# Altium PCB EIT_Teensy_PCBMain.PcbDoc (part 1 of 2)
Units mm, origin at the board's own origin, x right, y up, seen from the top; angles counter-clockwise.
Board outline 115 x 72 mm, 4 copper layers (Top Layer, GND Layer, PWR Layer, Bottom Layer), stack 0.603 mm thick; 122 components, 141 nets, 704 pads, 259 vias.
Unrouted connection lines stored in the file: 18.
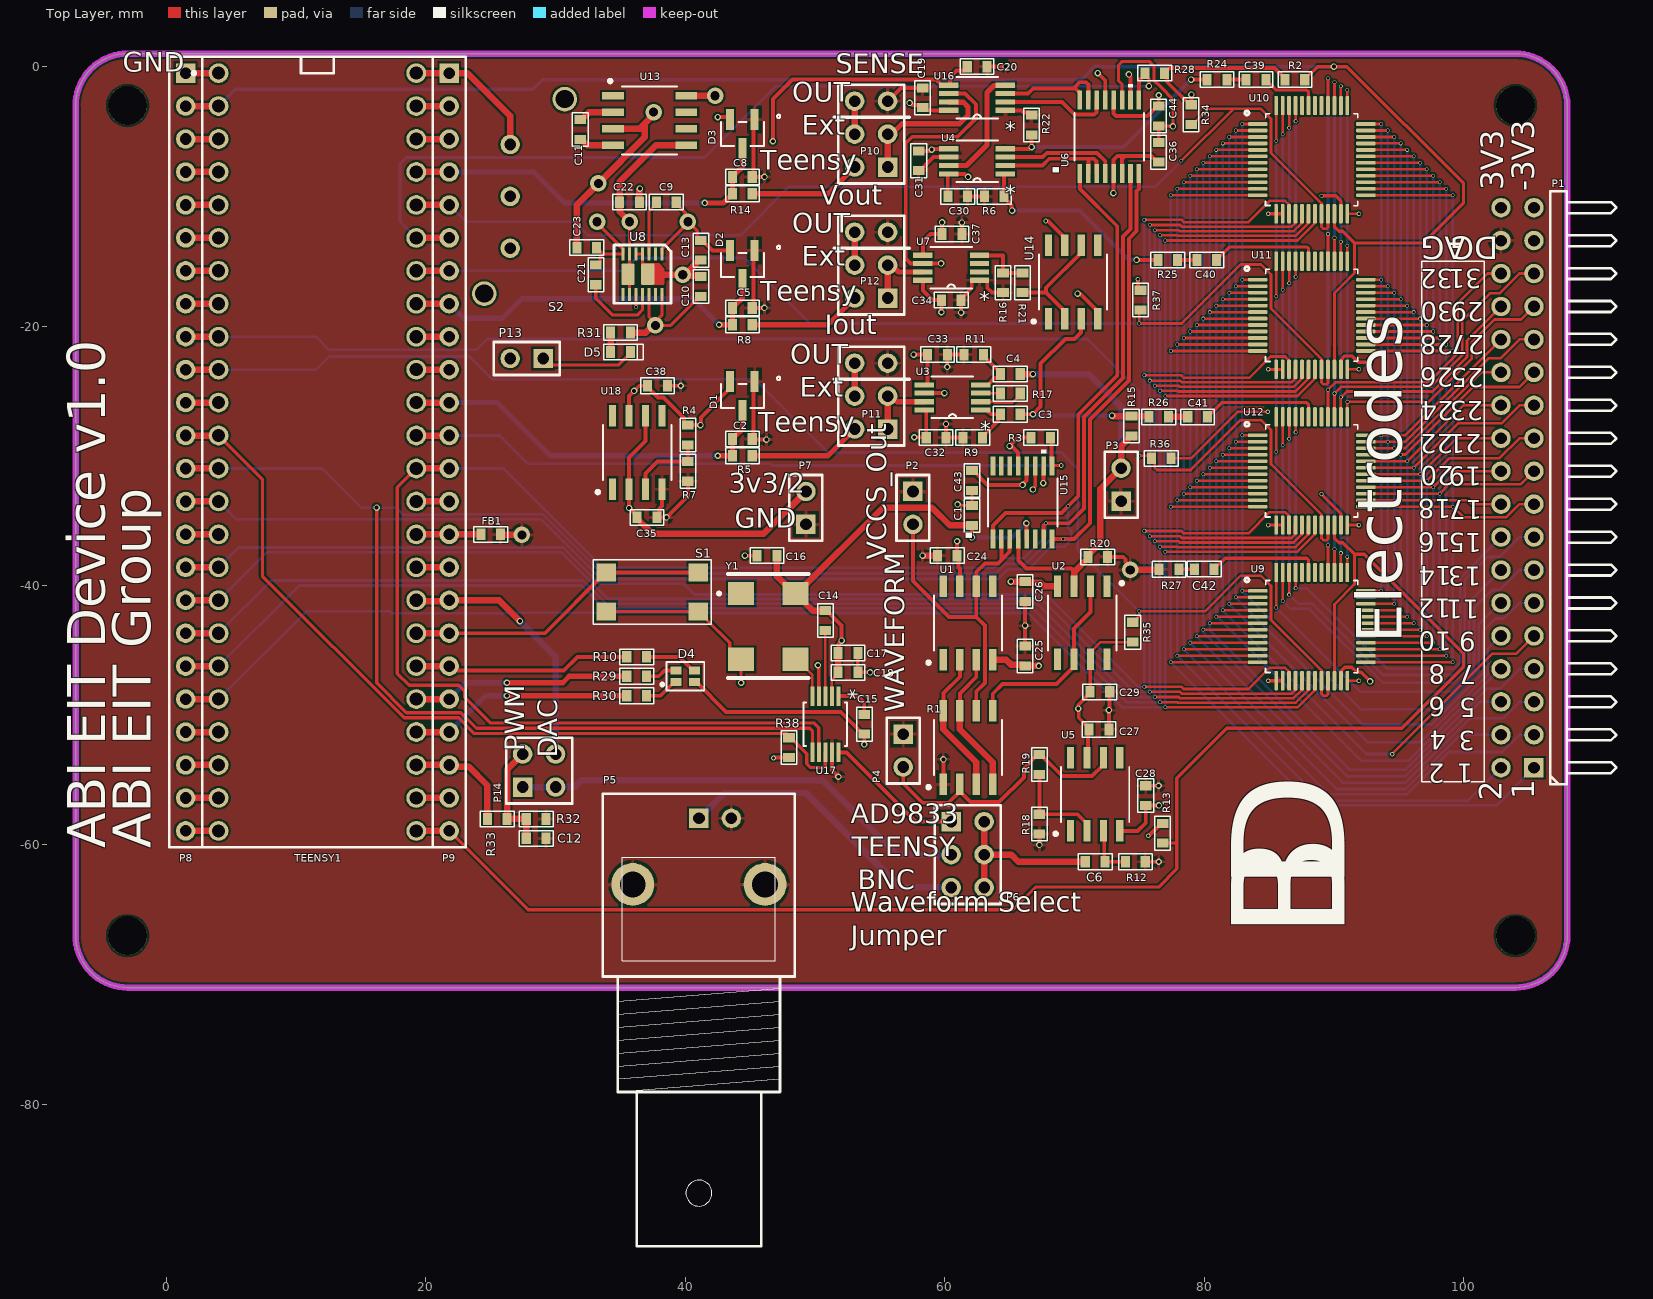
[diagram p0: Top Layer view]
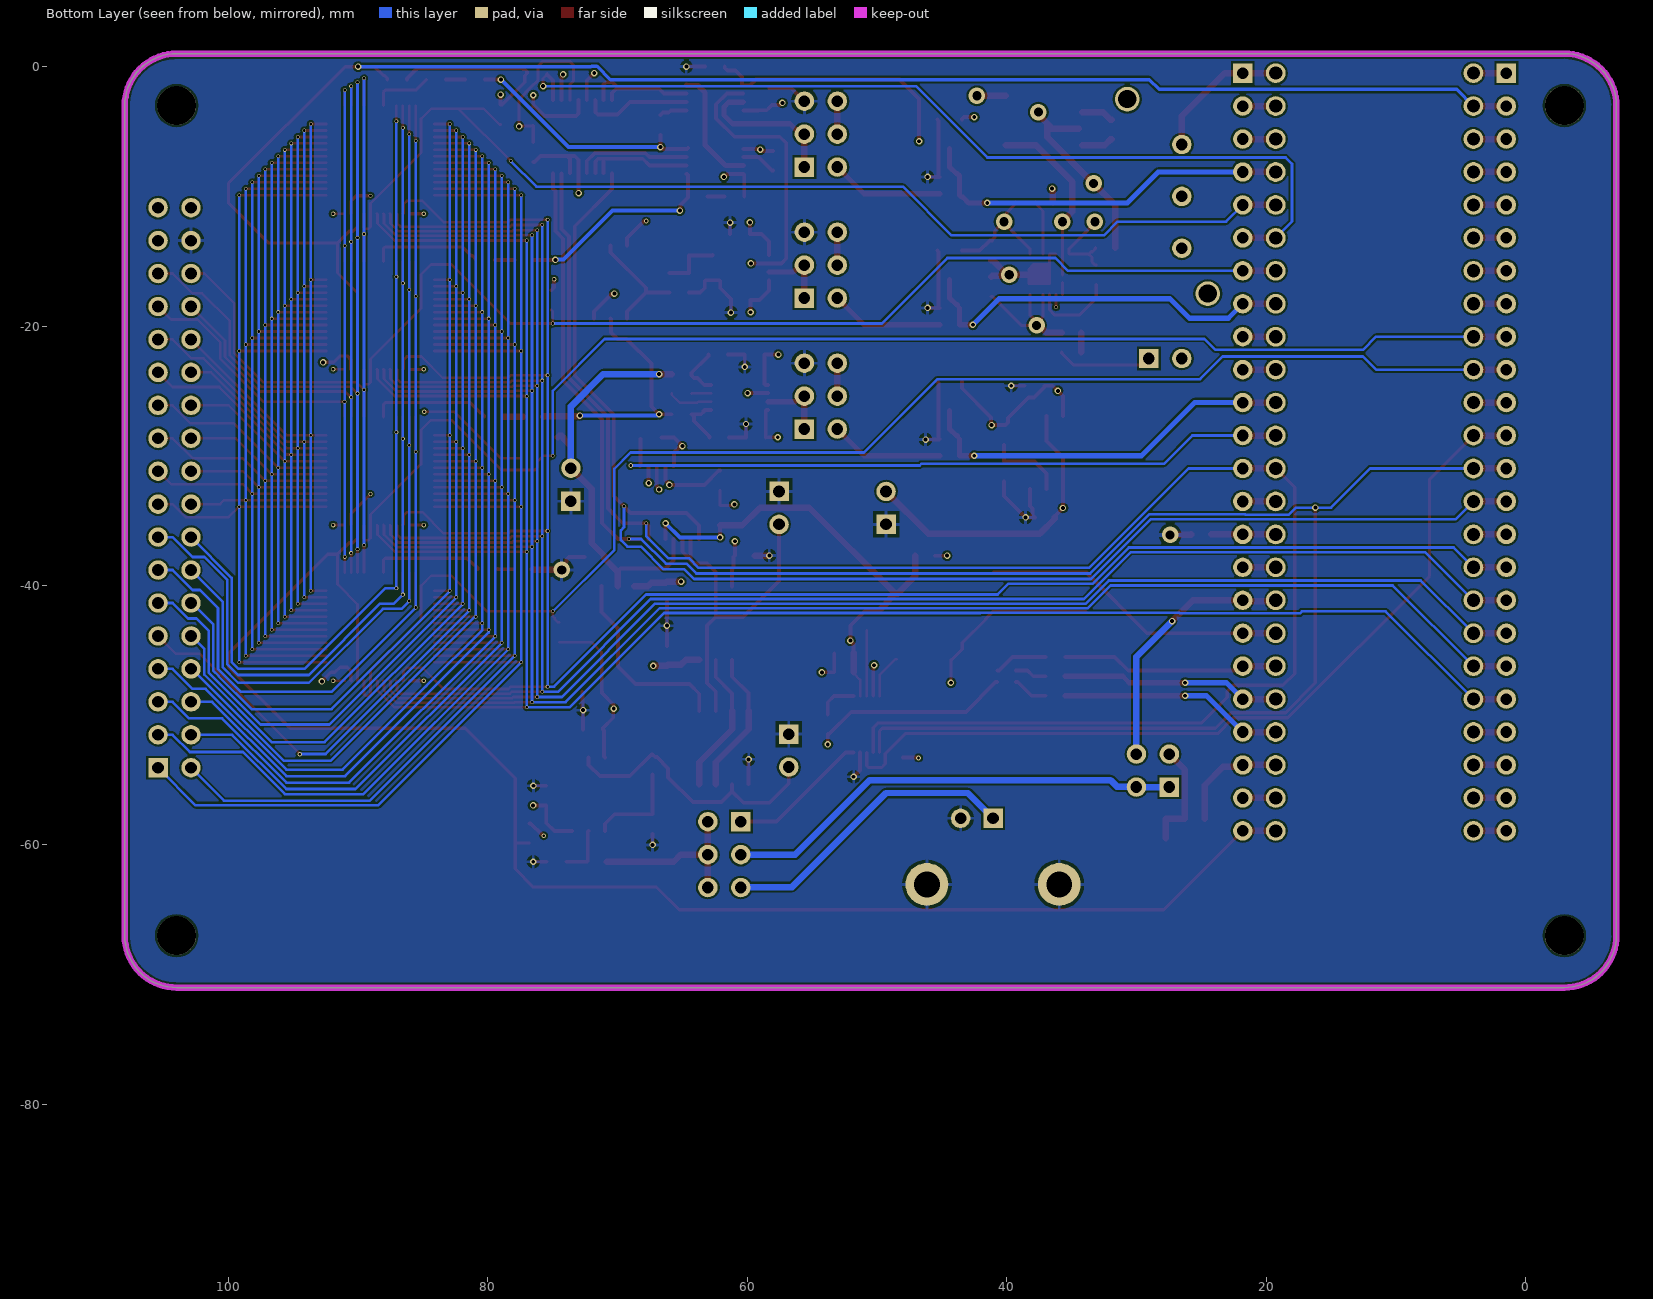
[diagram p1: Bottom Layer view, seen from below]
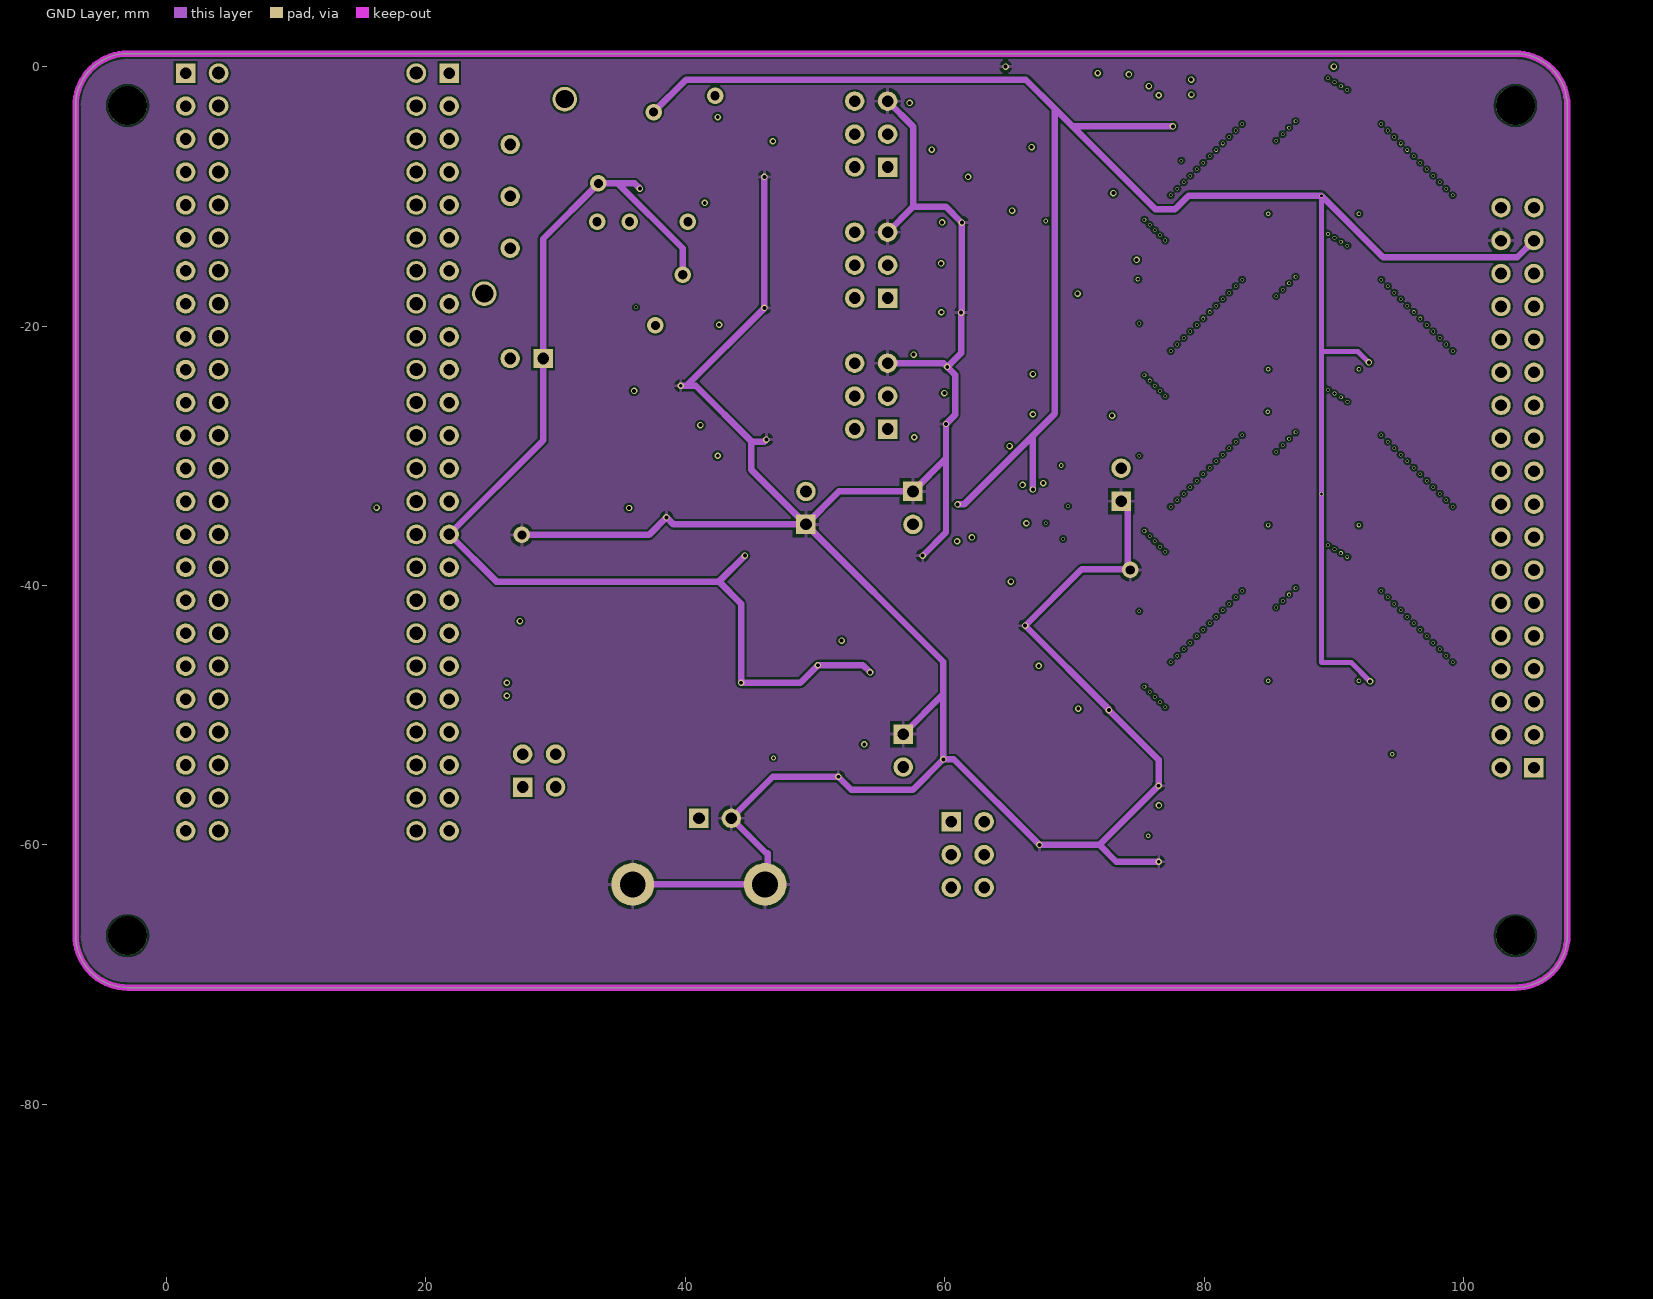
[diagram p2: GND Layer]
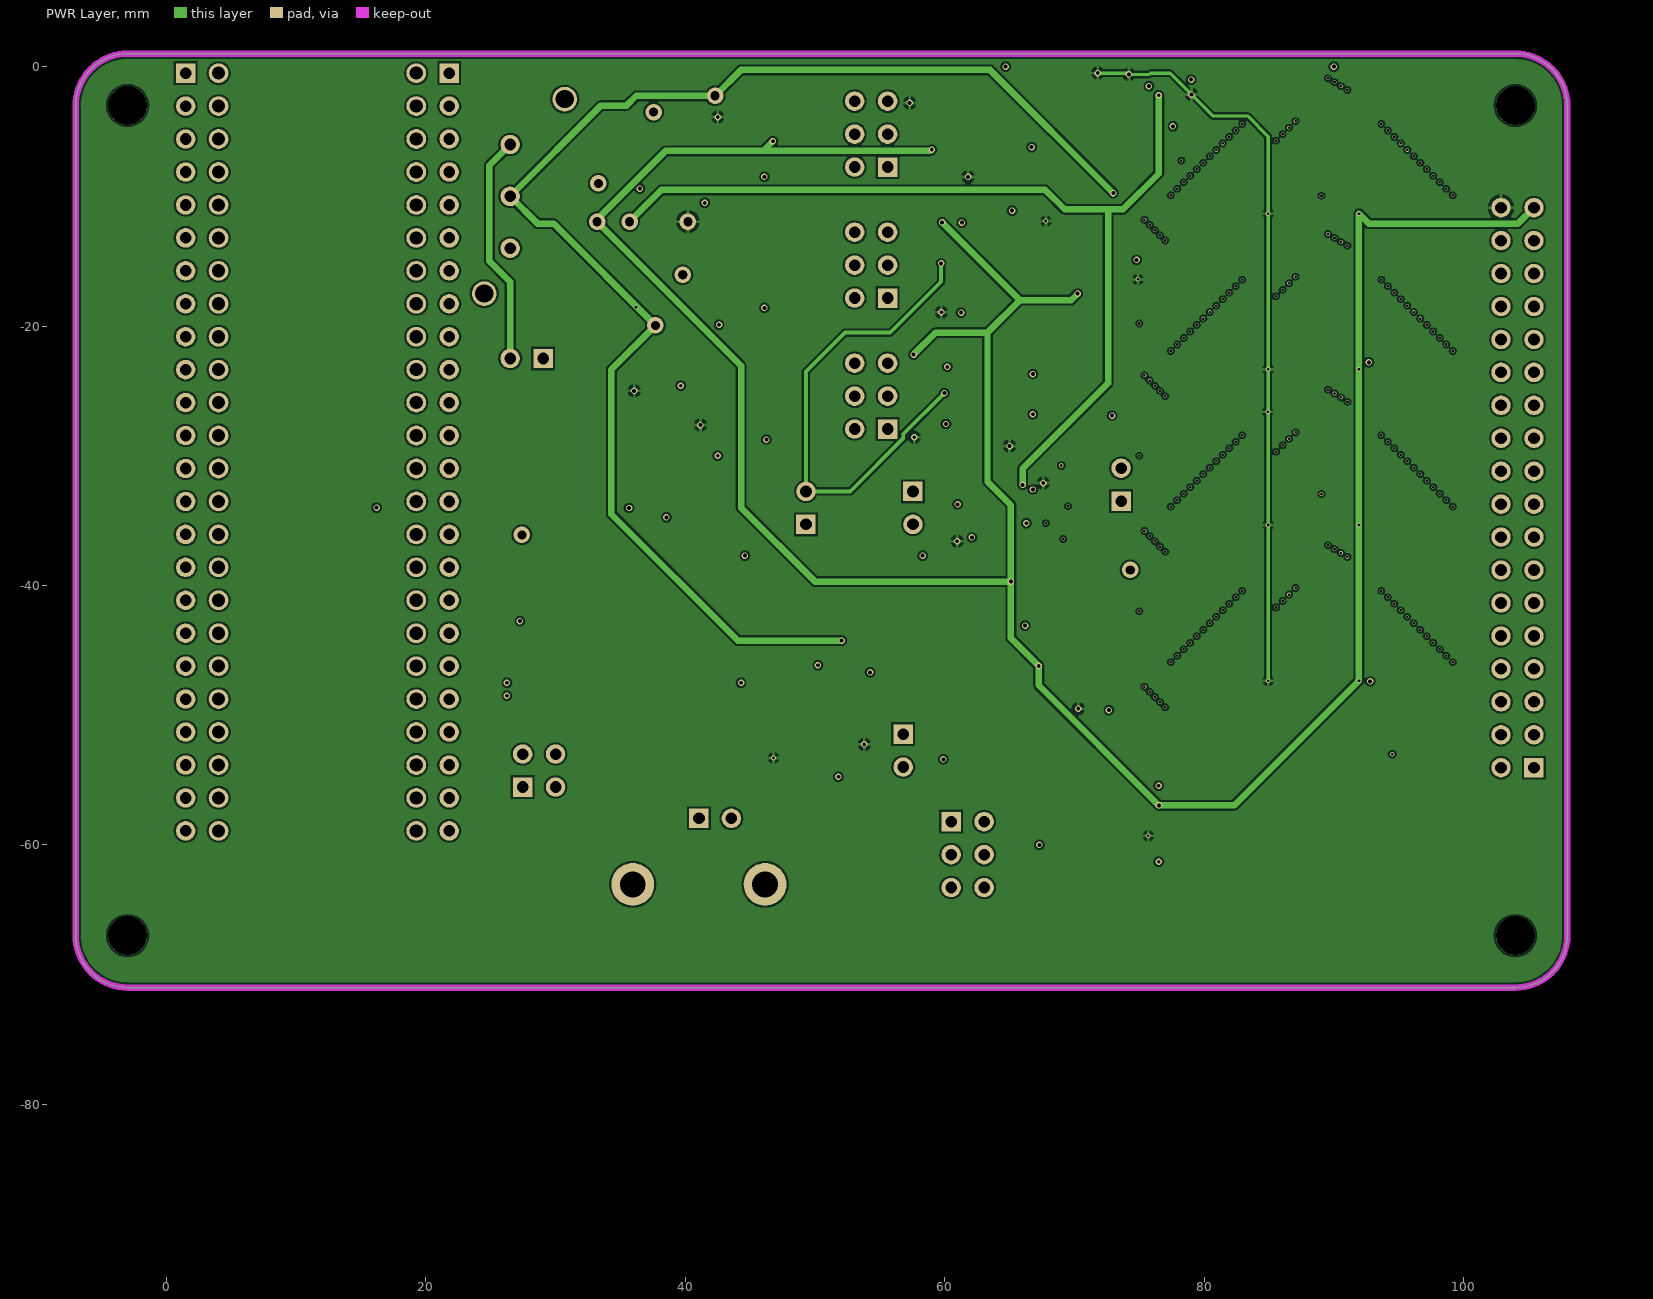
[diagram p3: PWR Layer]
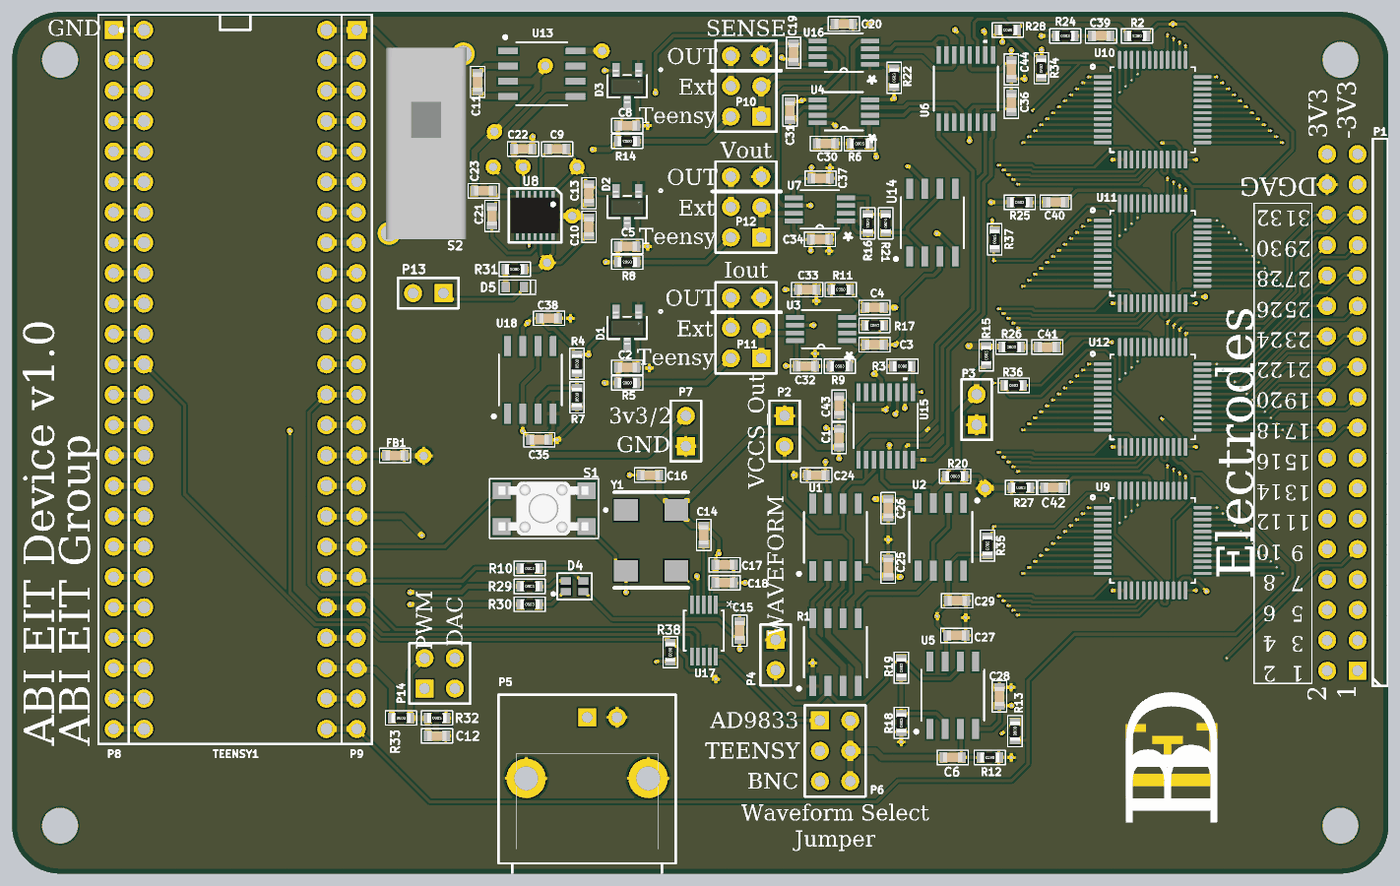
[diagram p5: 3D render of the assembled board from above, using the file's embedded part models]

## Layer stack, top to bottom
Top Solder: solder mask 0.0102, Solder Resist, Dk 3.5
Top Layer: signal copper 0.0356
Dielectric 2: prepreg 0.0711, PP-006, Dk 4.1
GND Layer: signal copper 0.035
Dielectric 1: dielectric 0.32, FR-4, Dk 4.8
PWR Layer: signal copper 0.035
Dielectric 3: prepreg 0.0711, PP-006, Dk 4.1
Bottom Layer: signal copper 0.0356
Bottom Solder: solder mask 0.0102, Solder Resist, Dk 3.5

## Board outline
-7,-67 ccw(c-3,-67) -3,-71 29.3,-71 104,-71 ccw(c104,-67) 108,-67 108,-3 ccw(c104,-3) 104,1 -3,1 ccw(c-3,-3) -7,-3

## Design rules (kind name [scope] priority, off if disabled: settings)
Clearance [All] p1: gap=0.152 ignorepadtopadclearanceinfootprint=FALSE
MinimumSolderMaskSliver [All] p1: minsoldermaskwidth=0.22
PolygonConnect [All] p1: connectstyle=Relief reliefconductorwidth=0.254 reliefentries=4 polygonreliefangle="90 Angle" airgapwidth=0.254
RoutingVias [All] p1: holewidth=0.3 width=0.5 viastyle="Through Hole" minholewidth=0.2 minwidth=0.28 maxholewidth=0.711 maxwidth=1.27
SilkToSolderMaskClearance [IsPad] p1 off: minsilkscreentomaskgap=0.254 clearancetoexposedcopper=TRUE
SolderMaskExpansion [All] p1: expansion=0.102 istentingtop=FALSE
Width [All] p1: maxlimit=0.508 minlimit=0.127 preferedwidth=0.254 midlayer1_minwidth=0.254 midlayer2_minwidth=0.254 minimp=50.000000 maximp=50.000000 favimp=50.000000
28 further rules are at their usual default settings.

## Classes and differential pairs
net class MuxSelect_A[4..0]: MuxSelect_A0 MuxSelect_A1 MuxSelect_A2 MuxSelect_A3 MuxSelect_A4
net class Electrode_[32..1]: Electrode_1 Electrode_2 Electrode_3 Electrode_4 Electrode_5 Electrode_6 Electrode_7 Electrode_8 Electrode_9 Electrode_10 Electrode_11 Electrode_12 Electrode_13 Electrode_14 Electrode_15 Electrode_16 Electrode_17 Electrode_18 Electrode_19 Electrode_20 Electrode_21 Electrode_22 Electrode_23 Electrode_24 Electrode_25 Electrode_26 Electrode_27 Electrode_28 Electrode_29 Electrode_30 Electrode_31 Electrode_32
component class VCCS: C1 C6 C24 C25 C26 C27 C28 C29 C43 P2 P3 P4 P5 P6 R1 R3 R12 R18 R19 R20 U1 U2 U5 U15
component class Teensy: C2 C5 C8 C12 D1 D2 D3 D4 FB1 P8 P9 P13 P14 R5 R8 R10 R14 R29 R30 R32 R33 S1 S2 TEENSY1
component class PSU: C9 C10 C11 C13 C21 C22 C23 D5 R31 U8 U13
component class Mux: R2 R13 R34 R35 R36 R37 U9 U11 U12
component class DDS: C14 C15 C16 C17 C18 R38 U17 Y1
component class Connections: P1
component class Amplifiers: C3 C4 C19 C20 C30 C31 C32 C33 C34 C35 C36 C37 C38 C39 C40 C41 C42 C44 P7 P10 P11 P12 R4 R6 R7 R9 R11 R15 R16 R17 R21 R22 R24 R25 R26 R27 R28 U3 U4 U6 U7 U14 U16 U18

## Components (designator, comment, footprint, x,y, rotation, side; value= is the part's Value field where it differs from the comment)
C1 "100nF" "0603 CAP" 62.1,-34.6 r270 top
C2 "10pF" "0603 CAP" 44.4,-28.7 r0 top
C3 "1.5nF" "0603 CAP" 65.062,-26.8 r180 top
C4 "1.5nF" "0603 CAP" 65.062,-23.7 r180 top
C5 "10pF" "0603 CAP" 44.4,-18.6 r0 top
C6 "15nF" "0603 CAP" 71.6,-61.3 r0 top
C8 "10pF" "0603 CAP" 44.4,-8.5 r0 top
C9 "100nF" "0603 CAP" 38.538,-10.45 r0 top
C10 "10uF" "0603 CAP" 41.2,-16.95 r270 top
C11 "10uF" "0603 CAP" 31.9,-4.85 r90 top
C12 "10pF" "0603 CAP" 28.5,-59.5 r180 top
C13 "10uF" "0603 CAP" 41.2,-14.15 r90 top
C14 "100nF" "0603 CAP" 50.8,-42.7 r270 top
C15 "10nF" "0603 CAP" 53.8,-50.7 r270 top
C16 "100nF" "0603 CAP" 46.3,-37.7 r180 top
C17 "100nF" "0603 CAP" 52.538,-45.2 r180 top
C18 "10uF" "0603 CAP" 52.538,-46.7 r180 top
C19 "100nF" "0603 CAP" 58.3,-2.4 r270 top
C20 "100nF" "0603 CAP" 62.5,0 r180 top
C21 "100nF" "0603 CAP" 33.1,-16.05 r90 top
C22 "10uF" "0603 CAP" 35.7,-10.45 r0 top
C23 "10uF" "0603 CAP" 32.4,-13.95 r180 top
C24 "100nF" "0603 CAP" 60.2,-37.7 r0 top
C25 "100nF" "0603 CAP" 66.2,-45.438 r270 top
C26 "100nF" "0603 CAP" 66.2,-40.462 r90 top
C27 "100nF" "0603 CAP" 71.9,-51.1 r180 top
C28 "100nF" "0603 CAP" 75.5,-56.2 r90 top
C29 "100nF" "0603 CAP" 71.962,-48.2 r180 top
C30 "100nF" "0603 CAP" 61,-10 r180 top
C31 "100nF" "0603 CAP" 58,-7.25 r90 top
C32 "100nF" "0603 CAP" 59.338,-28.6 r180 top
C33 "100nF" "0603 CAP" 59.438,-22.2 r180 top
C34 "100nF" "0603 CAP" 60.5,-18 r180 top
C35 "100nF" "0603 CAP" 37.05,-34.75 r180 top
C36 "100nF" "0603 CAP" 76.5,-6.6 r270 top
C37 "100nF" "0603 CAP" 60.562,-12.9 r180 top
C38 "100nF" "0603 CAP" 37.862,-24.6 r180 top
C39 "47nF" "0603 CAP" 84,-1 r0 top
C40 "47nF" "0603 CAP" 80.2,-14.9 r0 top
C41 "47nF" "0603 CAP" 79.5,-27 r0 top
C42 "47nF" "0603 CAP" 80.009,-38.743 r0 top
C43 "100nF" "0603 CAP" 62.1,-31.9 r90 top
C44 "100nF" "0603 CAP" 76.5,-3.8 r90 top
D1 "D Schottky" SOT-23_STM-M 44.4,-25.4 r180 top
D2 "D Schottky" SOT-23_STM-M 44.4,-15.3 r180 top
D3 "D Schottky" SOT-23_STM-M 44.4,-5.2 r180 top
D4 "LED RGB SMD" LED_RGB 40,-47 r90 top
D5 "LED Green" "0603 LED" 35,-22 r0 top
FB1 "Ferrite Bead" "0603 CAP" 25,-36.06 r180 top
P1 "Header 18X2H" HDR2X18H 105.43,-54.05 r90 top
P2 "Header" "HEADER 2.54MM 2X1 MALE" 57.55,-32.75 r270 top
P3 "Header" "HEADER 2.54MM 2X1 MALE" 73.6,-33.5 r90 top
P4 "Header" "HEADER 2.54MM 2X1 MALE" 56.8,-51.46 r270 top
P5 "BNC Female R/A" "BNC_RA CON" 41.05,-57.95 r90 top
P6 "Header 3X2" "HDR2X3 MALE 2.54MM" 60.5,-58.21 r270 top
P7 "Header" "HEADER 2.54MM 2X1 MALE" 49.3,-35.29 r90 top
P8 "Header 24" HDR1X24 1.48,-0.5 r270 top
P9 "Header 24" HDR1X24 21.8,-0.5 r270 top
P10 "Header 3X2" "HDR2X3 MALE 2.54MM" 55.6,-7.74 r90 top
P11 "Header 3X2" "HDR2X3 MALE 2.54MM" 55.6,-27.94 r90 top
P12 "Header 3X2" "HDR2X3 MALE 2.54MM" 55.6,-17.84 r90 top
P13 "Header" "HEADER 2.54MM 2X1 MALE" 29.04,-22.5 r180 top
P14 "Header 2X2" "HDR2X2 MALE 2.54MM" 27.46,-55.54 r0 top
R1 "Res Array 10K x4 0.1%" 8-SOIC 61.8,-52.5 r90 top
R2 "10K 1%" "0603 RES" 87,-1 r180 top
R3 "10K 1%" "0603 RES" 67.4,-28.6 r180 top
R4 "10K 1%" "0603 RES" 40.2,-28.4 r90 top
R5 "3K 1%" "0603 RES" 44.4,-30 r180 top
R6 "10K 1%" "0603 RES" 63.824,-10 r0 top
R7 "10K 1%" "0603 RES" 40.2,-31.2 r90 top
R8 "3K 1%" "0603 RES" 44.4,-19.9 r180 top
R9 "10K 1%" "0603 RES" 62.162,-28.6 r0 top
R10 "1K 1%" "0603 RES" 36.25,-45.5 r0 top
R11 "10K 1%" "0603 RES" 62.238,-22.2 r180 top
R12 "9.09K 1%" "0603 RES" 74.7,-61.3 r180 top
R13 "10K 1%" "0603 RES" 76.8,-59.1 r90 top
R14 "3K 1%" "0603 RES" 44.4,-9.8 r180 top
R15 "1K 0.01% Precision" "0603 RES" 74.4,-27.7 r90 top
R16 "10K 1%" "0603 RES" 64.5,-16.662 r270 top
R17 "5.49K 1%" "0603 RES" 65.062,-25.2 r180 top
R18 "10K 1%" "0603 RES" 67.3,-58.4 r90 top
R19 "90.9K 1%" "0603 RES" 67.3,-53.8 r90 top
R20 "1M 1%" "0603 RES" 71.8,-37.8 r0 top
R21 "10K 1%" "0603 RES" 66,-16.662 r90 top
R22 "10K 1%" "0603 RES" 66.7,-4.5 r90 top
R24 "4.7K 1%" "0603 RES" 81,-1 r0 top
R25 "4.7K 1%" "0603 RES" 77.2,-14.9 r0 top
R26 "4.7K 1%" "0603 RES" 76.5,-27 r0 top
R27 "4.7K 1%" "0603 RES" 77.3,-38.75 r0 top
R28 "10K 1%" "0603 RES" 76.2,-0.5 r180 top
R29 "1K 1%" "0603 RES" 36.25,-47 r0 top
R30 "1K 1%" "0603 RES" 36.25,-48.5 r0 top
R31 "1K 1%" "0603 RES" 35,-20.5 r180 top
R32 "10K 1%" "0603 RES" 28.5,-58 r0 top
R33 "10K 1%" "0603 RES" 25.5,-58 r0 top
R34 "10K 1%" "0603 RES" 79,-3.7 r90 top
R35 "10K 1%" "0603 RES" 74.5,-43.6 r270 top
R36 "10K 1%" "0603 RES" 76.7,-30.2 r0 top
R37 "10K 1%" "0603 RES" 75.1,-18 r90 top
R38 "10K 1%" "0603 RES" 48,-52.5 r270 top
S1 "SW-SPST" "TACTILE SWITCH SMD MOM" 33.9,-42 r0 top
S2 "SW-SPDT" "SWITCH SLIDE SPDT" 26.5,-14 r90 top
TEENSY1 "Teensy3.6 edge only" TEENSY3.6-EDGEONLY 4.02,-0.5 r0 top
U1 "OPA189DR" 8-SOIC 61.8,-42.9 r90 top
U2 "OPA189DR" 8-SOIC 70.605,-42.874 r270 top
U3 "AD8220ARMZ" SOP65P490X110-8N 60.6,-25.5 r180 top
U4 "AD8220ARMZ" SOP65P490X110-8N 62.5,-7.3 r180 top
U5 "OPA189DR" 8-SOIC 71.6,-56.1 r90 top
U6 "AD5262BRUZ200" TSSOP-16 72.7,-5.4 r90 top
U7 "AD8220ARMZ" SOP65P490X110-8N 60.5,-15.5 r180 top
U8 "+/-3.3V Reg" 14-DFN 38.2,-14.45 r180 top
U9 "Mux 32:1" QFP50P900X900X120-49N 88.3,-43.17 r0 top
U10 "Mux 32:1" QFP50P900X900X120-49N 88.3,-7.17 r0 top
U11 "Mux 32:1" QFP50P900X900X120-49N 88.3,-19.17 r0 top
U12 "Mux 32:1" QFP50P900X900X120-49N 88.3,-31.17 r0 top
U13 "-Vin Charge Pump" 8-SOIC 37.254,-4.154 r0 top
U14 "OPA189DR" 8-SOIC 69.9,-16.6 r90 top
U15 "AD5262BRUZ200" TSSOP-16 66,-33.6 r90 top
U16 "AD8220ARMZ" SOP65P490X110-8N 62.5,-2.4 r180 top
U17 "AD9833BRMZ" RM_10_ADI 50.8,-50.7 r270 top
U18 "OPA189DR" 8-SOIC 36.3,-29.75 r90 top
Y1 "XTAL" "XTAL SMD" 44.3,-40.62 r90 top

## Footprints (in the part's own frame and the unit in brackets; to place one, negate y for a bottom-side part, rotate by r counter-clockwise, add the part's x,y. Pads: shape width x height; smd on the part's side, far side on the other; paste and mask are expansions set on the pad)
8-SOIC [mil]
  rect 65.5x22 smd paste+0 mask+0: 1(-111.25,75) 2(-111.25,25) 3(-111.25,-25) 4(-111.25,-75) 5(111.25,-75) 6(111.25,-25) 7(111.25,25) 8(111.25,75)
  silkscreen extent -125,-104 84,125, body extent 0,0 10,10, height 10
14-DFN [mm]
  rect 0.25x1 smd mask+0: 1(0,0) 2(0.5,0) 3(1,0) 4(1.5,0) 5(2,0) 6(2.5,0) 7(3,0) 8(3,3.1) 9(2.5,3.1) 10(2,3.1) 11(1.5,3.1) 12(1,3.1) 13(0.5,3.1) 14(0,3.1)
  rrect20% 1.016x1.651 smd paste+0 mask+0: 15(1.092,1.549)
  rrect20% 1.016x1.651 smd mask+0: 16(2.616,1.549)
  Top Layer region: 1.473,2.375 1.522,2.366 1.563,2.338 1.59,2.297 1.6,2.248 1.6,2.248 1.6,0.851 1.59,0.803 1.563,0.762 1.522,0.734 1.473,0.724 1.473,0.724 0.225,0.724 -0.178,1.128 -0.178,2.248 -0.168,2.297 -0.141,2.338 -0.1,2.366 -0.051,2.375 -0.051,2.375
  Top Layer lines w0.254: 2.5,3.1 2.5,2.2 ; 1.5,0 1.5,0.528 ccw(c0.903,0.528) 1.325,0.95
  silkscreen extent -0.7,-0.7 3.7,3.8, body extent -0.5,0.05 3.5,3.05, height 0.75
"0603 CAP" [mm]
  rect 0.7x0.9 smd paste-0.013 mask+0.051: 1(-0.762,0) 2(0.762,0)
  silkscreen extent -1.3,-0.6 1.3,0.6, body extent -0.8,-0.4 0.8,0.4, height 0.8
"0603 LED" [mm]
  rect 0.7x0.9 smd paste-0.013 mask+0.051: 1(-0.762,0) 2(0.762,0)
  silkscreen extent -1.3,-0.6 1.75,0.6
"0603 RES" [mm]
  rect 0.7x0.9 smd paste-0.013 mask+0.051: 1(-0.762,0) 2(0.762,0)
  silkscreen extent -1.3,-0.6 1.3,0.6, body extent -0.8,-0.4 0.8,0.4, height 0.45
"BNC_RA CON" [mm] "Connector; BNC Elbow"
  rect 1.5x1.5 hole 0.9: 1(0,0)
  round 3.3 hole 2: 2(-5.1,-5.1) 2(-5.1,5.1)
  round 1.5 hole 0.9: 2(0,-2.5)
  silkscreen extent -33,-7.4 1.9,7.4
HDR1X24 [mm] "Connector; Header; 24 Position"
  rect 1.5x1.5 hole 0.9: 1(0,0)
  round 1.5 hole 0.9: 2(2.54,0) 3(5.08,0) 4(7.62,0) 5(10.16,0) 6(12.7,0) 7(15.24,0) 8(17.78,0) 9(20.32,0) 10(22.86,0) 11(25.4,0) 12(27.94,0) 13(30.48,0) 14(33.02,0) 15(35.56,0) 16(38.1,0) 17(40.64,0) 18(43.18,0) 19(45.72,0) 20(48.26,0) 21(50.8,0) 22(53.34,0) 23(55.88,0) 24(58.42,0)
  silkscreen extent -1.27,-1.27 59.69,1.27
"HDR2X2 MALE 2.54MM" [mm] "Connector; Header; 2x2 Position"
  rect 1.5x1.5 hole 0.9: 1(0,0)
  round 1.5 hole 0.9: 2(0,2.54) 3(2.54,0) 4(2.54,2.54)
  silkscreen extent -1.27,-1.27 3.81,3.81
"HDR2X3 MALE 2.54MM" [mm] "Connector; Header; 3x2 Position"
  rect 1.5x1.5 hole 0.9: 1(0,0)
  round 1.5 hole 0.9: 2(0,2.54) 3(2.54,0) 4(2.54,2.54) 5(5.08,0) 6(5.08,2.54)
  silkscreen extent -1.27,-1.27 6.35,3.81
HDR2X18H [mm] "Connector; Header; 18x2 Position; Right Angle"
  rect 1.5x1.5 hole 0.9: 1(0,0)
  round 1.5 hole 0.9: 2(0,2.54) 3(2.54,0) 4(2.54,2.54) 5(5.08,0) 6(5.08,2.54) 7(7.62,0) 8(7.62,2.54) 9(10.16,0) 10(10.16,2.54) 11(12.7,0) 12(12.7,2.54) 13(15.24,0) 14(15.24,2.54) 15(17.78,0) 16(17.78,2.54) 17(20.32,0) 18(20.32,2.54) 19(22.86,0) 20(22.86,2.54) 21(25.4,0) 22(25.4,2.54) 23(27.94,0) 24(27.94,2.54) 25(30.48,0) 26(30.48,2.54) 27(33.02,0) 28(33.02,2.54) 29(35.56,0) 30(35.56,2.54) 31(38.1,0) 32(38.1,2.54) 33(40.64,0) 34(40.64,2.54) 35(43.18,0) 36(43.18,2.54)
  silkscreen extent -1.27,-6.35 44.45,-1.27
"HEADER 2.54MM 2X1 MALE" [mm] "Connector; Header; 2 Position"
  rect 1.5x1.5 hole 0.9: 1(0,0)
  round 1.5 hole 0.9: 2(2.54,0)
  silkscreen extent -1.27,-1.27 3.81,1.27, body extent -1.25,-1.26 3.83,1.28, height 8.41